# Altium PCB MainBoard_V1_2.PcbDoc
Units mm, origin at the board's own origin, x right, y up, seen from the top; angles counter-clockwise.
Board outline 196.5 x 118 mm, 2 copper layers (Top Layer, Bottom Layer), stack 2.21 mm thick; 100 components, 84 nets, 427 pads, 486 vias.
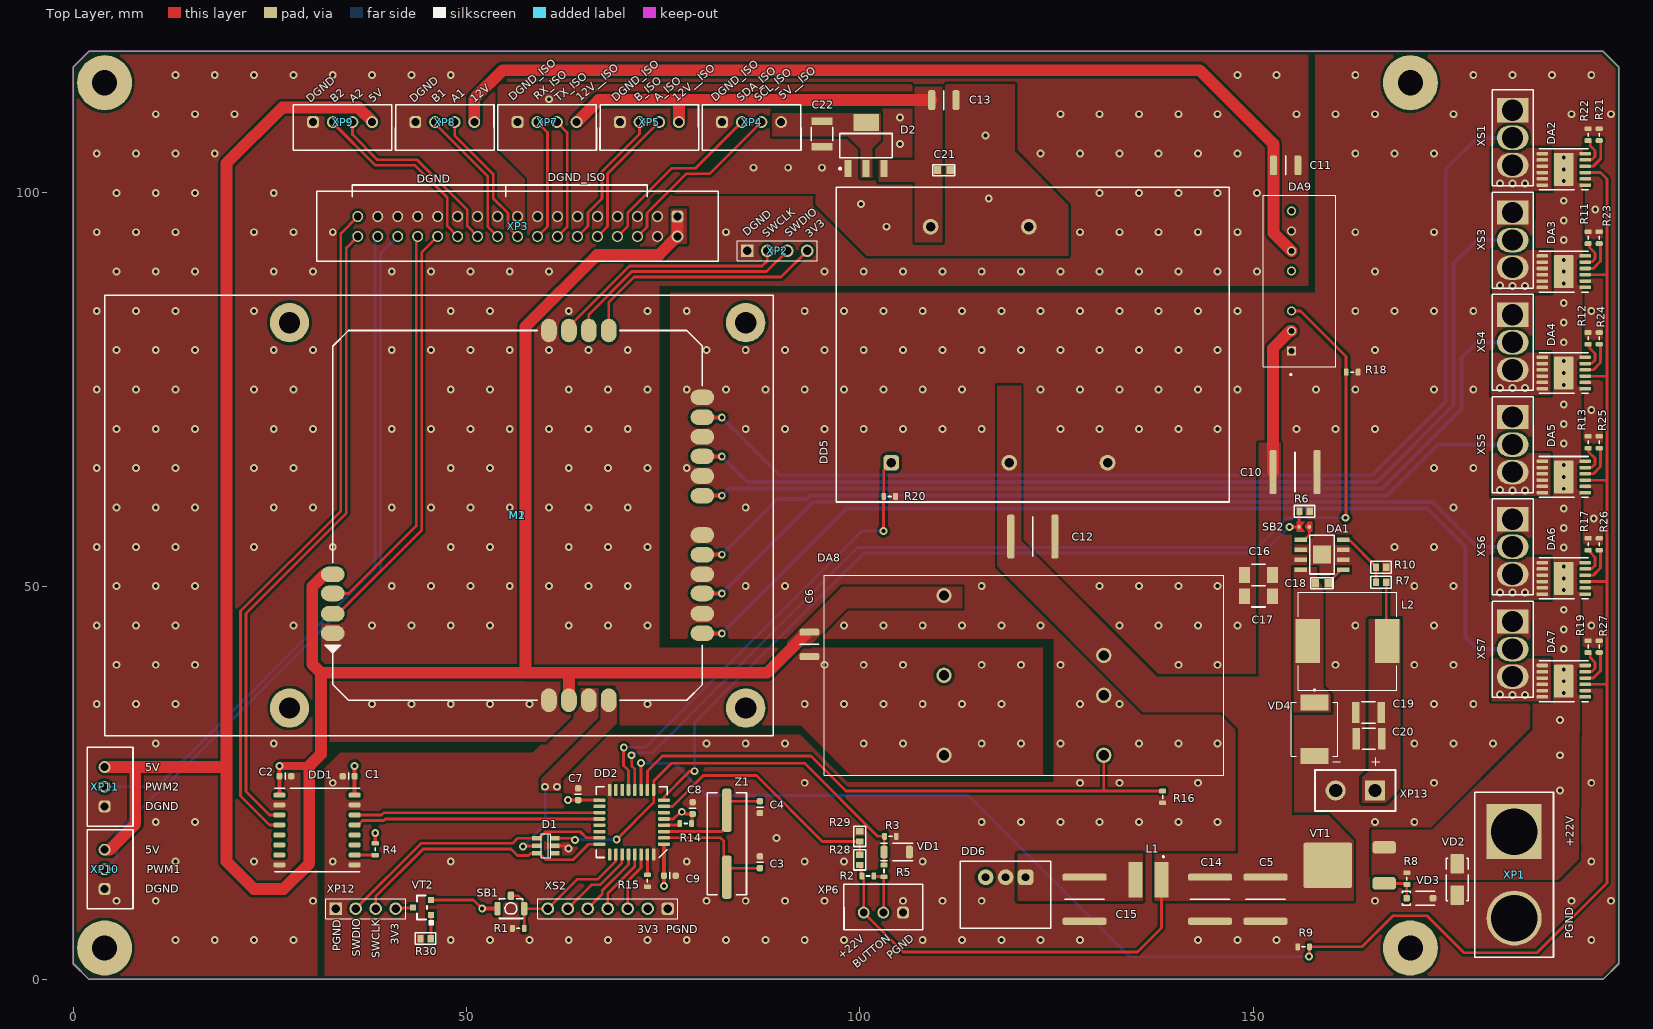
[diagram p0: Top Layer view]
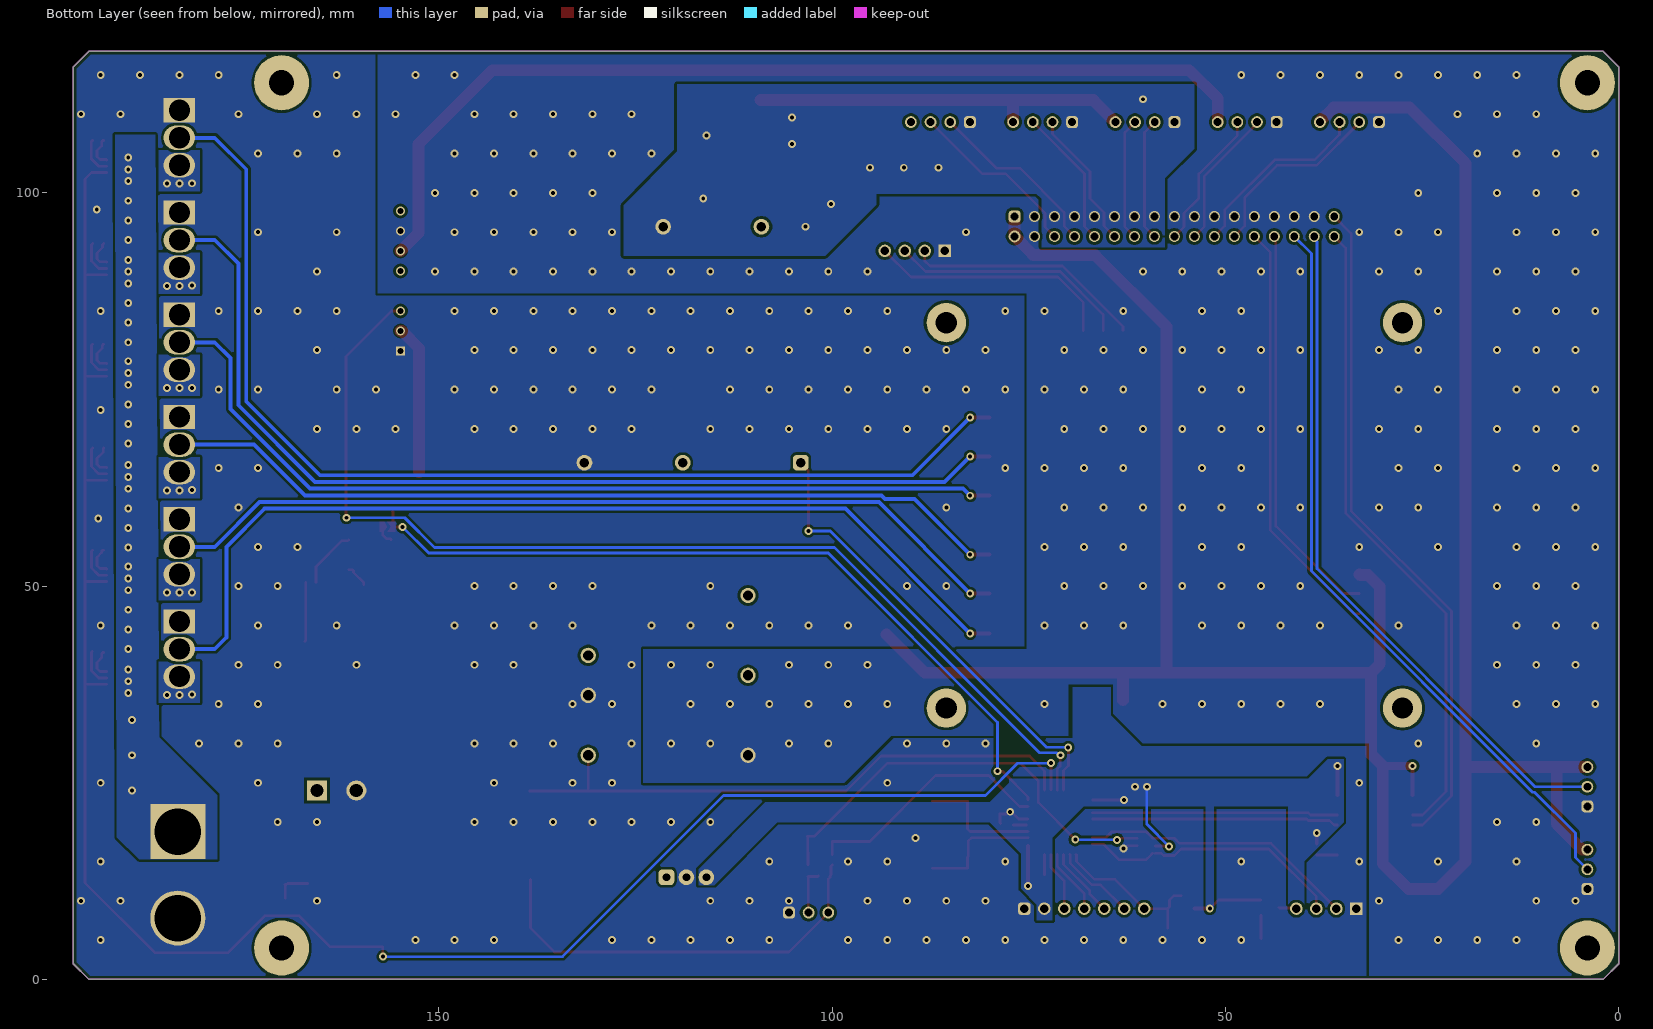
[diagram p1: Bottom Layer view, seen from below]

## Layer stack, top to bottom
Top Solder: solder mask 0.0102, Solder Resist, Dk 3.5
Top Layer: signal copper 0.105
Dielectric 1: core 2, FR4, Dk 4.6
Bottom Layer: signal copper 0.105
Bottom Solder: solder mask 0.0102, Solder Resist, Dk 3.5

## Board outline
0,2 2,0 194.5,0 196.5,2 196.5,116 194.5,118 2,118 0,116

## Design rules (kind name [scope] priority, off if disabled: settings)
Clearance [All] p1: gap=0.35 ignorepadtopadclearanceinfootprint=FALSE
ComponentClearance [All] p1: gap=0.1 collisioncheckmode=3 verticalgap=0.1 showdistances=FALSE
Height [All] p1 off: minheight=0 maxheight=25.4 prefheight=12.7
HoleSize [All] p1: absolutevalues=TRUE maxlimit=10 minlimit=0.2 maxpercent=80.000 minpercent=20.000
MinimumAnnularRing [All] p1: minimumring=0.2
MinimumSolderMaskSliver [All] p1: minsoldermaskwidth=0.35
PlaneConnect [All] p1: planeconnectstyle=Direct reliefexpansion=0.508 reliefentries=4 reliefconductorwidth=0.254 reliefairgap=0.254
PolygonConnect [All] p1: connectstyle=Direct reliefconductorwidth=0.254 reliefentries=4 polygonreliefangle="90 Angle" airgapwidth=0.254
RoutingVias [All] p1: holewidth=0.5 width=1 viastyle="Through Hole" minholewidth=0.5 minwidth=1 maxholewidth=10 maxwidth=20
SilkToSilkClearance [All] p1: silktosilkclearance=0.15
SilkToSolderMaskClearance [IsPad] p1: minsilkscreentomaskgap=0.15 clearancetoexposedcopper=TRUE
SolderMaskExpansion SolderMaskExpansion_1 [IsVia] p1: expansion=0.102 istentingtop=TRUE
SolderMaskExpansion [All] p2: expansion=0.102 istentingtop=FALSE
SupplyNets "Schematic Supply Nets_2" [InNet('3V3_ISO')] p1: voltage=0.000
SupplyNets "Schematic Supply Nets_18" [InNet('12V_ISO')] p2: voltage=0.000
SupplyNets "Schematic Supply Nets_16" [InNet('12V_PWR')] p3: voltage=0.000
SupplyNets "Schematic Supply Nets_1" [InNet('22VIN')] p4: voltage=0.000
SupplyNets "Schematic Supply Nets_17" [InNet('22V_BMA_2')] p5: voltage=0.000
SupplyNets "Schematic Supply Nets_15" [InNet('22V_BMA_6')] p6: voltage=0.000
SupplyNets "Schematic Supply Nets_14" [InNet('22V_BMA_1')] p7: voltage=0.000
SupplyNets "Schematic Supply Nets_13" [InNet('22V_BMA_5')] p8: voltage=0.000
SupplyNets "Schematic Supply Nets_11" [InNet('22V_BMA_3')] p9: voltage=0.000
SupplyNets "Schematic Supply Nets_10" [InNet('22V_BMA_4')] p10: voltage=0.000
SupplyNets "Schematic Supply Nets_9" [InNet('12V')] p11: voltage=0.000
SupplyNets "Schematic Supply Nets_8" [InNet('22V_BMA')] p12: voltage=0.000
SupplyNets "Schematic Supply Nets_7" [InNet('PGND')] p13: voltage=0.000
SupplyNets "Schematic Supply Nets_6" [InNet('3V3')] p14: voltage=0.000
SupplyNets "Schematic Supply Nets_5" [InNet('DGND')] p15: voltage=0.000
SupplyNets "Schematic Supply Nets_4" [InNet('5V')] p16: voltage=0.000
SupplyNets "Schematic Supply Nets_3" [InNet('22V')] p17: voltage=0.000
SupplyNets "Schematic Supply Nets" [InNet('DGND_ISO')] p18: voltage=0.000
Width [All] p1: maxlimit=10 minlimit=0.35 preferedwidth=0.35
23 further rules are at their usual default settings.

## Classes and differential pairs
component class "Power Supply": C3 C4 C5 C6 C7 C8 C9 C10 C11 C12 C13 C14 C15 C16 C17 C18 C19 C20 C21 C22 D1 D2 DA1 DA2 DA3 DA4 DA5 DA6 DA7 DA8 DA? DD2 DD5 DD6 L1 L2 R6 R7 R8 R9 R10 R11 R12 R13 R14 R15 R16 R17 R18 R19 R20 R21 R22 R23 R24 R25 R26 R27 R28 R29 R30 SB2 "TrueType Font" VD2 VD3 VD4 VT1 VT2 XP12 Z1
component class Main: C1 C2 DD1 M1 M2 R1 R2 R3 R4 R5 SB1 "TrueType Font" VD1 XP1 XP2 XP3 XP4 XP5 XP6 XP7 XP8 XP9 XP10 XP11 XP13 XS1 XS2 XS3 XS4 XS5 XS6 XS7

## Components (designator, comment, footprint, x,y, rotation, side; value= is the part's Value field where it differs from the comment)
C1 "0,1 мкФ" C0603C 35.025,25.845 r180 top
C2 "0,1 мкФ" C0603C 26.975,25.845 r0 top
C3 "20 пФ" C0603C 87.3,14.9 r270 top
C4 "20 пФ" C0603C 87.3,21.9 r90 top
C5 "10 мкФ" C2220C 151.6,10.2 r270 top
C6 "10 мкФ" C1210C 93.6,42.6 r270 top
C7 "0,1 мкФ" C0603C 64.2,23.55 r90 top
C8 "0,1 мкФ" C0603C 78.75,21.775 r90 top
C9 "0,1 мкФ" C0603C 75.85,13.2 r0 top
C10 "10 мкФ" C2220C 155.336,64.5 r0 top
C11 "10 мкФ" C1210C 154.15,103.5 r0 top
C12 "10 мкФ" C2220C 122,56.3 r0 top
C13 "10 мкФ" C1210C 110.7,111.8 r0 top
C14 "10 мкФ" C2220C 144.54,10.2 r270 top
C15 "10 мкФ" C2220C 128.58,10.2 r270 top
C16 "Capacitor" 1206C 150.7,51.415 r0 top value="4,7 мк"
C17 "Capacitor" 1206C 150.7,48.7 r0 top value="4,7 мк"
C18 "Capacitor" 0603C 158.76,50.379 r180 top value="10 н"
C19 "Capacitor" 1210C 164.702,33.95 r0 top value="22 мк"
C20 "Capacitor" 1210C 164.713,30.6 r0 top value="22 мк"
C21 "Capacitor" 0603C 110.7,102.9 r180 top value="0,1 мк"
C22 "Capacitor" 1210C 95.2,107.5 r90 top value="10 мк"
D1 "USBLC6-4" SOT23-6 60.1,17 r90 top
D2 "LD1117S33CTR" SOT223 100.8,106 r90 top
DA1 "RT8279GSP" 8SOP(Exposed_Pad) 158.76,54 r180 top
DA2 "VN5016AJTR-E" PowerSSO-12 189.5,102.986 r180 top
DA3 "VN5016AJTR-E" PowerSSO-12 189.5,89.986 r180 top
DA4 "VN5016AJTR-E" PowerSSO-12 189.5,77.1 r180 top
DA5 "VN5016AJTR-E" PowerSSO-12 189.5,63.88 r180 top
DA6 "VN5016AJTR-E" PowerSSO-12 189.5,50.986 r180 top
DA7 "VN5016AJTR-E" PowerSSO-12 189.5,37.914 r180 top
DA8 "SKA20B-05" SKA20B05 131.02,41.2 r270 top
DA9 "SPBW03F-12" SIP8 155.9,88.8 r90 top
DD1 "ADUM1400ARWZ-RL" SOIC-Wide-16 31,19 r0 top
DD2 "STM32F030K6T6" LQFP32 71,20 r180 top
DD5 "МПВ15В" МП_15_ 122,80.7 r180 top
DD6 "R-78E3.3-1.0" SIP3 121.08,13 r180 top
L1 "SDR0403-120ML" 4.5x4_wired 136.7,12.7 r270 top value="12 мк"
L2 "B82477R4683M100" 12.5x12.5 162,43 r0 top value="68 мк"
M1 "MCU_BMA_V1_0" MCU_BMA_V1_0 33,35.5 r0 top locked
M2 "RaspberryPi4" Raspberry+PI4MB_HAT_V2 89,87 r180 top locked
R1 "10 кОм" C0603R 56.59,6.5 r180 top
R2 "10 кОм" C0603R 101.04,13.151 r0 top
R3 "10 кОм" C0603R 103.9,18.2 r0 top
R4 "10 кОм" C0603R 38.4,16.55 r90 top
R5 "10 кОм" C0603R 103.084,13.795 r90 top
R6 "Resistor" 0603R 156.544,59.5 r180 top value="10 к"
R7 "Resistor" 0603R 166.285,50.5 r0 top value="100 к"
R8 "2 кОм" C0603R 169.562,12.818 r270 top
R9 "10 кОм" C0603R 156.423,4.146 r180 top
R10 "Resistor" 0603R 166.285,52.395 r0 top value="11 к"
R11 "10 кОм" C0603R 192.599,94.301 r90 top
R12 "10 кОм" C0603R 192.599,81.5 r90 top
R13 "10 кОм" C0603R 192.599,68.3 r90 top
R14 "10 кОм" C0603R 77.869,19.825 r180 top
R15 "10 кОм" C0603R 73,12.55 r90 top
R16 "10 кОм" C0603R 138.5,23.2 r90 top
R17 "10 кОм" C0603R 192.599,55.33 r90 top
R18 "10 кОм" C0603R 162.6,77.2 r180 top
R19 "10 кОм" C0603R 192.599,42.315 r90 top
R20 "10 кОм" C0603R 103.8,61.4 r180 top
R21 "1 кОм" C0603R 194.008,107.4 r90 top
R22 "10 кОм" C0603R 192.6,107.4 r90 top
R23 "1 кОм" C0603R 194.008,94.301 r90 top
R24 "1 кОм" C0603R 194.008,81.5 r90 top
R25 "1 кОм" C0603R 194.008,68.3 r90 top
R26 "1 кОм" C0603R 194.008,55.33 r90 top
R27 "1 кОм" C0603R 194.008,42.315 r90 top
R28 "Resistor" 0603R 100,15.21 r270 top value="100 к"
R29 "Resistor" 0603R 100,18.2 r270 top value="10 к"
R30 "Resistor" 0603R 44.8,5.2 r0 top value="10 к"
SB1 "B3U-1100PB" B3U-1100P 55.64,9 r180 top
SB2 "SB" 0805SB 157.544,58.165 r180 top
VD1 "BZV55-C3V3,115" SOD80C 104.7,16.2 r0 top
VD2 "SMAJ26CA" DO-214AC 175.955,12.7 r270 top
VD3 "BZX384-C15,115" SOD-123 171.2,10.338 r0 top
VD4 "SK56" SMC 157.8,31.826 r270 top
VT1 "IRFR5305TRPBF" D-PAK 159.5,14.5 r90 top
VT2 "AO3401A" SOT23-3 45.5,8.2 r180 top
XP1 "XT90H-M" XT90H-M 183.2,13.3 r90 top
XP2 "PLS-4" PLS-4 89.508,92.623 r0 top
XP3 "DS1013-34S" IDC-34MS 76.82,97 r180 top
XP4 "DS1069-4 M" "DS1069-4 M" 82.5,109 r0 top
XP5 "DS1069-4 M" "DS1069-4 M" 69.5,109 r0 top
XP6 "DS1069-3 M" "DS1069-3 M" 105.5,8.5 r180 top
XP7 "DS1069-4 M" "DS1069-4 M" 56.5,109 r0 top
XP8 "DS1069-4 M" "DS1069-4 M" 43.5,109 r0 top
XP9 "DS1069-4 M" "DS1069-4 M" 30.5,109 r0 top
XP10 "DS1069-3 M" "DS1069-3 M" 4,11.5 r90 top
XP11 "DS1069-3 M" "DS1069-3 M" 4,22 r90 top
XP12 "PLS-4" PLS-4 37.19,9 r0 top
XP13 "XT30UPB-F" XT30UPB-F 163,24.019 r180 top
XS1 "MR30-FB" MR30-FB 183,107 r270 top
XS2 "PBS-7" PBS-7 67.96,9 r180 top
XS3 "MR30-FB" MR30-FB 183,94 r270 top
XS4 "MR30-FB" MR30-FB 183,81 r270 top
XS5 "MR30-FB" MR30-FB 183,68 r270 top
XS6 "MR30-FB" MR30-FB 183,55 r270 top
XS7 "MR30-FB" MR30-FB 183,42 r270 top
Z1 "8 МГц" HC-49SM 83.1,17.256 r270 top

## Footprints (in the part's own frame and the unit in brackets; to place one, negate y for a bottom-side part, rotate by r counter-clockwise, add the part's x,y. Pads: shape width x height; smd on the part's side, far side on the other; paste and mask are expansions set on the pad)
4.5x4_wired [mm]
  rect 4.5x1.8 smd: 1(0,1.65) 2(0,-1.65)
  silkscreen extent -3,1.8 -2.8,2, body extent -2.25,-2.25 2.25,2.25, height 3.2
8SOP(Exposed_Pad) [mm]
  rect 1.55x0.6 smd: 1(-2.7,1.905) 2(-2.7,0.635) 3(-2.7,-0.635) 4(-2.7,-1.905) 5(2.7,-1.905) 6(2.7,-0.635) 7(2.7,0.635) 8(2.7,1.905)
  rect 2.3x2.3 smd paste-2: 9(0,0)
  silkscreen extent -1.55,-2.45 1.55,2.45, body extent -3,-2.45 3,2.45, height 1.75
12.5x12.5 [mm]
  rect 3.1x5.6 smd: 1(-5.05,0) 2(5.05,0)
  silkscreen extent -6.25,-6.25 6.25,6.25, body extent -6.25,-6.25 6.25,6.25, height 8.5
0603C [mm] "Chip Resistor, 2-Leads, Body 1,40x0,80mm, IPC Medium Density"
  rect 0.9x1.05 smd: 1(-0.8,0) 2(0.8,0)
  silkscreen extent -1.4,-0.7 1.4,0.7, body extent -0.85,-0.45 0.85,0.45, height 0.9
0603R [mm] "Chip Resistor, 2-Leads, Body 1.60x0.85mm, IPC Medium Density"
  rect 0.8x0.95 smd: 1(-0.65,0) 2(0.65,0)
  silkscreen extent -1.3,-0.75 1.3,0.75, body extent -0.87,-0.47 0.88,0.48, height 0.9
0805SB [mm]
  oval 0.4x0.5 smd: 1(0.4,0.625) 2(1.7,0.625)
  Top Layer region: 0,1.25 0,0 0.567,0 0.962,0.618 0.558,1.25
  Top Layer region: 1,1.25 1.4,0.625 1,0 2,0 2,1.25
  body extent 0.4,0 1.7,1.25, height 0.3
1206C [mm]
  rect 1.4x2 smd paste+0 mask+0: 1(-1.8,0) 2(1.8,0)
  silkscreen extent -0.85,-1.35 0.85,1.35, body extent -1.6,-0.74 1.6,0.86, height 1.59
1210C [mm]
  rect 0.954x2.706 smd paste+0 mask+0: 1(-1.625,0) 2(1.625,0)
  silkscreen extent -0.85,-1.35 0.85,1.35, body extent -2.35,-1.6 2.35,1.6, height 0.25
B3U-1100P [mm]
  rrect50% 0.8x1.7 smd: 1(-1.7,0) 2(1.7,0)
  rrect50% 0.8x1.1 smd: 3(0,-1.65)
  silkscreen extent -1.5,-1.25 1.5,1.25, body extent -2,-1.95 2,1.25, height 1.75
C0603C [mm]
  rrect50% 0.8x0.8 smd: 1(-0.75,0) 2(0.75,0)
  silkscreen extent 0,-0.4 0,0.4, body extent -0.8,-0.4 0.8,0.4, height 0.95
C0603R [mm]
  rrect50% 0.6x0.9 smd: 1(-0.75,0) 2(0.75,0)
  silkscreen extent -0.2,0 0.2,0, body extent -0.8,-0.4 0.8,0.4, height 0.44
C1210C [mm]
  rrect50% 0.9x2.5 smd: 1(-1.55,0) 2(1.55,0)
  silkscreen extent 0,-1.2 0,1.2, body extent -1.6,-1.25 1.6,1.25, height 2.2
C2220C [mm]
  rrect50% 0.9x5.6 smd: 1(-2.8,0) 2(2.8,0)
  silkscreen extent 0,-2.5 0,2.5, body extent -2.85,-2.5 2.85,2.5, height 2.6
D-PAK [mm]
  rrect50% 1.6x3 smd: 1(-2.286,-7.18) 3(2.286,-7.18)
  rrect10% 5.8x6.2 smd: 2(0,0)
  body extent -3.25,-7.65 3.25,2.25, height 2.49
DO-214AC [mm]
  rrect20% 2.5x1.7 smd: 1(-2,0) 2(2,0)
  silkscreen extent -2.7,-1.4 2.7,1.4, body extent -2.6,-1.36 2.6,1.36, height 2.7
"DS1069-3 M" [mm]
  rrect50% 1.5x1.5 hole 1: 1(0,0)
  round 1.5 hole 1: 2(2.5,0) 3(5,0)
  silkscreen extent -2.53,-3.6 7.53,2.2, body extent -2.5,-3.55 7.5,2.2, height 7
"DS1069-4 M" [mm]
  rrect50% 1.5x1.5 hole 1: 1(0,0)
  round 1.5 hole 1: 2(2.5,0) 3(5,0) 4(7.5,0)
  silkscreen extent -2.53,-3.6 10.03,2.2, body extent -2.4,-3.55 10,2.2, height 7
HC-49SM [mm]
  rrect50% 5.5x1.2 smd: 1(-4.25,0) 2(4.25,0)
  silkscreen extent -6.5,-2.5 6.5,2.5, body extent -6.4,-2.41 6.4,2.42, height 4.3
IDC-34MS [mm]
  rrect50% 1.5x1.5 hole 1: 1(0,0)
  round 1.5 hole 1: 2(0,2.54)
  round 1.4 hole 1: 3(2.54,0) 4(2.54,2.54) 5(5.08,0) 6(5.08,2.54) 7(7.62,0) 8(7.62,2.54) 9(10.16,0) 10(10.16,2.54) 11(12.7,0) 12(12.7,2.54) 13(15.24,0) 14(15.24,2.54) 15(17.78,0) 16(17.78,2.54) 17(20.32,0) 18(20.32,2.54) 19(22.86,0) 20(22.86,2.54) 21(25.4,0) 22(25.4,2.54) 23(27.94,0) 24(27.94,2.54) 25(30.48,0) 26(30.48,2.54) 27(33.02,0) 28(33.02,2.54) 29(35.56,0) 30(35.56,2.54) 31(38.1,0) 32(38.1,2.54) 33(40.64,0) 34(40.64,2.54)
  silkscreen extent -5.2,-3.2 45.84,5.7, body extent -5.17,-3.23 45.81,5.67, height 9
LQFP32 [mm]
  rrect50% 1.5x0.45 smd: 1(-4.1,2.8) 2(-4.1,2) 3(-4.1,1.2) 4(-4.1,0.4) 5(-4.1,-0.4) 6(-4.1,-1.2) 7(-4.1,-2) 8(-4.1,-2.8) 17(4.1,-2.8) 18(4.1,-2) 19(4.1,-1.2) 20(4.1,-0.4) 21(4.1,0.4) 22(4.1,1.2) 23(4.1,2) 24(4.1,2.8)
  rrect50% 0.45x1.5 smd: 9(-2.8,-4.1) 10(-2,-4.1) 11(-1.2,-4.1) 12(-0.4,-4.1) 13(0.4,-4.1) 14(1.2,-4.1) 15(2,-4.1) 16(2.8,-4.1) 25(2.8,4.1) 26(2,4.1) 27(1.2,4.1) 28(0.4,4.1) 29(-0.4,4.1) 30(-1.2,4.1) 31(-2,4.1) 32(-2.8,4.1)
  silkscreen extent -4.5,-4.5 4.5,4.5, body extent -4.5,-4.5 4.5,4.5, height 1.6
MCU_BMA_V1_0 [mm]
  oval 3x2 smd: 1(0,8.5) 2(0,11) 3(0,13.58) 4(0,16) 9(47,38.5) 10(47,35.96) 11(47,33.5) 12(47,31) 13(47,28.5) 14(47,26) 15(47,21) 16(47,18.5) 17(47,16) 18(47,13.58) 19(47,11) 20(47,8.5)
  oval 2x3 smd: 5(27.48,47) 6(30.02,47) 7(32.56,47) 8(35.1,47) 21(35.1,0) 22(32.56,0) 23(30.02,0) 24(27.48,0)
  silkscreen extent -1,0 47,47, body extent 0,0 47,47, height 5.9
MR30-FB [mm]
  rect 3.1x4 hole 2.7 mask+0: 1(-3.5,0)
  oval 3.1x4 hole 2.7 mask+0: 2(0,0) 3(3.5,0)
  silkscreen extent -6.1,-2.6 6.1,2.6, body extent -6.1,-2.6 6.1,2.6, height 9.5
PBS-7 [mm]
  rrect50% 1.6x1.6 hole 1.1: 1(-7.62,0)
  round 1.6 hole 1.1: 2(-5.08,0) 3(-2.54,0) 4(0,0) 5(2.54,0) 6(5.08,0) 7(7.62,0)
  silkscreen extent -8.89,-1.27 8.89,1.27, body extent -8.89,-1.27 8.89,1.27, height 8.5
PLS-4 [mm]
  rect 1.6x1.6 hole 1.1: 1(-3.81,0)
  round 1.6 hole 1.1: 2(-1.27,0) 3(1.27,0) 4(3.81,0)
  silkscreen extent -5.08,-1.27 5.08,1.27, body extent -5.08,-1.27 5.08,1.27, height 8.5
PowerSSO-12 [mm]
  rrect50% 1.45x0.45 smd: 1(-2.724,2) 2(-2.724,1.2) 3(-2.724,0.4) 4(-2.724,-0.4) 5(-2.724,-1.2) 6(-2.724,-2) 7(2.724,-2) 8(2.724,-1.2) 9(2.724,-0.4) 10(2.724,0.4) 11(2.724,1.2) 12(2.724,2)
  rrect10% 2.489x4.191 smd: 13(0,0)
  silkscreen extent -3.1,-2.6 3.1,2.6, body extent -3.1,-2.5 3.1,2.5, height 1.63
Raspberry+PI4MB_HAT_V2 [mm]
  round 5 hole 2.7: 0(3.5,52.5) 0(3.5,3.5) 0(61.5,52.5) 0(61.5,3.5)
  silkscreen extent 0,0 85,56, body extent 0,-2.45 89.07,56, height 30.5
SIP3 [mm]
  rrect50% 2x2 hole 1: 1(0,0)
  round 2 hole 1: 2(2.54,0) 3(5.08,0)
  silkscreen extent -3.2,-2 8.28,6.5, body extent -3.26,-1.98 8.34,6.53, height 10.4
SIP8 [mm]
  rect 1.13x1.13 hole 0.73: 1(-8.89,1.016)
  round 1.13 hole 0.73: 2(-6.35,1.016) 3(-3.81,1.016) 5(1.27,1.016) 6(3.81,1.016) 7(6.35,1.016) 8(8.89,1.016)
  silkscreen extent -12,-4.6 10.9,4.6, body extent -10.9,-4.6 10.9,4.6, height 10.6
SKA20B05 [mm]
  round 1.95 hole 1.3: 1(0,0) 2(5.08,0) 3(-7.62,-20.32) 4(2.54,-20.32) 5(12.7,-20.32) 6(12.7,0)
  silkscreen extent -10.16,-35.56 15.24,15.24, body extent -10.16,-35.56 15.24,15.24, height 11.2
SMC [mm]
  rect 2x3.6 smd: 1(3.415,0.021) 2(-3.385,0.021)
  silkscreen extent -5.08,-2.93 3.45,2.97, body extent -3.96,-2.93 3.99,2.97, height 2.65
SOD80C [mm]
  rrect50% 0.9x1.6 smd: 1(-1.6,0) 2(1.6,0)
  silkscreen extent -2,-1.1 2,1.1, body extent -1.75,-0.8 1.75,0.8, height 1.6
SOD-123 [mm]
  rrect50% 0.85x0.85 smd: 1(-1.675,0) 2(1.675,0)
  silkscreen extent -2.2,-0.9 1.9,0.9, body extent -1.82,-0.77 1.83,0.78, height 1.44
SOIC-Wide-16 [mm]
  rrect50% 1.5x0.6 smd: 1(-4.775,4.445) 2(-4.775,3.175) 3(-4.775,1.905) 4(-4.775,0.635) 5(-4.775,-0.635) 6(-4.775,-1.905) 7(-4.775,-3.175) 8(-4.775,-4.445) 9(4.775,-4.445) 10(4.775,-3.175) 11(4.775,-1.905) 12(4.775,-0.635) 13(4.775,0.635) 14(4.775,1.905) 15(4.775,3.175) 16(4.775,4.445)
  silkscreen extent -5.4,-5.3 5.4,5.3, body extent -5.15,-5.15 5.15,5.15, height 2.65
SOT23-3 [mil]
  rect 30x30 smd: 1(0,0) 2(0,-75) 3(90,-37.5)
  silkscreen extent -13,-98 70,52, body extent -4,-97 94,21, height 41
SOT23-6 [mm]
  rect 0.6x1.2 smd: 1(-0.95,-1.15) 2(0,-1.15) 3(0.95,-1.15) 4(0.95,1.15) 5(0,1.15) 6(-0.95,1.15)
  silkscreen extent -1.52,-0.61 1.52,0.61, body extent -1.46,-1.4 1.46,1.4, height 1.4
SOT223 [mm] "SOT223, ld1117"
  rect 2.15x0.9 smd: 1(-2.925,2.3) 2(-2.925,0) 3(-2.925,-2.3)
  rect 2.15x3.25 smd: 2(2.925,0)
  silkscreen extent -3.05,-3.35 1.55,3.42, body extent -3.56,-3.3 3.51,3.2, height 1.6
XT30UPB-F [mm]
  round 2.55 hole 1.7: N(2.5,0)
  rect 2.55x2.55 / inner round 2.55 / far side rect 2.55x2.55 hole 1.7: P(-2.5,0)
  silkscreen extent -5.1,-4.15 5.1,2.6, body extent -5.1,-2.6 5.1,2.6, height 9.4
XT90H-M [mm]
  rect 7x7 hole 5.9: 1(5.5,0)
  round 7 hole 5.9: 2(-5.5,0)
  silkscreen extent -10.5,-5 10.5,5, body extent -10.5,-5.4 10.5,5.4, height 21.3
МП_15_ [mm]
  rrect50% 2x2 hole 1.2 mask+0: 1(18,15)
  round 2 hole 1.2 mask+0: 2(3,15) 3(-9.5,15) 4(0.5,-15) 5(13,-15)
  silkscreen extent -25,-20 25,20, body extent -25,-20 25,20, height 11.5

## Part data
C1 C2 C7 C8 C9: library part CC0603KRX7R9BB104, "SMD 0603 ; X7R; 0,1 мкФ; 50 В", Dielectric=X7R, Manufacturer=YAGEO, Package="SMD 0603", Voltage="50 В", ComponentLink1Description=Datasheet, Part Number=CC0603KRX7R9BB104, Persent=±5%, Type=Ceramic
C3 C4: library part CC0603JRNPO9BN200, "SMD 0603 ; C0G(NP0); 20 пФ; 50 В", Dielectric=C0G(NP0), Manufacturer=YAGEO, Package="SMD 0603", Voltage="50 В", ComponentLink1Description=Datasheet, Part Number=CC0603JRNPO9BN200, Persent=±15%, Type=Ceramic
C5 C10 C12 C14 C15: library part 22201C106MAT2A, "SMD 2220 ; X7R; 10 мкФ; 100 В", Dielectric=X7R, Manufacturer=AVX, Package="SMD 2220", Voltage="100 В", ComponentLink1Description=Datasheet, Part Number=22201C106MAT2A, Persent=±15%, Type=Ceramic
C6 C11 C13: library part 12105C106KAT2A, "SMD 1210; X7R; 10 мкФ; 50 В", Dielectric=X7R, Manufacturer=AVX, Package="SMD 1210", Voltage="50 В", ComponentLink1Description=Datasheet, Part Number=12105C106KAT2A, Persent=±15%, Type=Ceramic
C16 C17: library part Capacitor_4,7u_10_50V_X7R_1206C, "Конденсатор", Capacity (nF)=4700, Dielectric=X7R, Tolerance=0,1, Voltage (V)=50, Part Number=Capacitor_4,7u_10_50V_X7R_1206C
C18: library part Capacitor_10n_10_50V_X7R_0603C, "Конденсатор", Capacity (nF)=10, Dielectric=X7R, Tolerance=0,1, Voltage (V)=50, Part Number=Capacitor_10n_10_50V_X7R_0603C
C19 C20: library part Capacitor_22u_10_25V_X7R_1210C, "Конденсатор", Capacity (nF)=22000, Dielectric=X7R, Tolerance=0,1, Voltage (V)=25, Part Number=Capacitor_22u_10_25V_X7R_1210C
C21: library part Capacitor_0,1u_10_50V_X7R_0603C, "Конденсатор", Capacity (nF)=100, Dielectric=X7R, Tolerance=0,1, Voltage (V)=50, Part Number=Capacitor_0,1u_10_50V_X7R_0603C
C22: library part Capacitor_10u_10_35V_X7R_1210C, "Конденсатор", Capacity (nF)=10000, Dielectric=X7R, Tolerance=0,1, Voltage (V)=35, Part Number=Capacitor_10u_10_35V_X7R_1210C
D1: "Сборка защитных диодов для USB", ComponentLink1Description=Shop, ComponentLink1URL=https://www.chipdip.ru/product0/8001780508, Part Number=USBLC6-4
D2: "Линейный стабилизатор напряжения", Part Number=LD1117S33CTR
DA1: "Преобразователь постоянного тока понижающий подстраиваемый выход 5А", Part Number=RT8279GSP
DA2 DA3 DA4 DA5 DA6 DA7: "High Current Power Switch", Manufacturer=STMicroelectronics, Part Number=VN5016AJTR-E, Type="Power Switch"
DA8: library part Component_1, "SKA20B-05, DC/DC преобразователь, 20Вт, вход 18-36В,выход 5В/4А"
DA9: "SPBW03F-12, DC/DC преобразователь, 3Вт, вход 9-36В,выход 12В/0.25А"
DD1: "ISO", Manufacturer="Analog Devices", Part Number=ADUM1400ARWZ-RL, Type=ISO
DD2: Manufacturer=STMicroelectronics, Part Number=STM32F030K6T6, Type=MCU
DD5: "Switching regulator, Uвх = 27В, Uвых =12V", Manufacturer=ИРБИС, Part Number=МПВ15В, Type="ISO DC/DC"
DD6: "DC/DC, 24VIN 3V3 OUT", Manufacturer=Recom, Part Number=R-78E3.3-1.0, Type=DC/DC
L1: "Индуктивность на 12 мкГн, номинальный ток 1,05 A", Current (A)=1,05, Inductance (μH)=12, Part Number=SDR0403-120ML
L2: "Индуктивность на 68 мкГн, номинальный ток 2,65 A", Current (A)=2,65, Inductance (μH)=68, Part Number=B82477R4683M100
M1: "MCU_BMA_V1_0, user module", Type=User
M2: library part Raspberry+PI4MB_HAT_V2, "Raspberry+PI4MB_HAT_V2", Manufacturer=Raspberry, ComponentLink1Description=Datasheet, Part Number=RaspberryPi4, Type=User
R1 R2 R3 R4 R5 R9 R11 R12 R13 R14 R15 R16 R17 R18 R19 R20 R22: library part RC0603FR-0710KL, "SMD 0603; 0,1; 1%; 10 кОм", Manufacturer=Yageo, Package="SMD 0603", Power=0,1, Category=R, Part Number=RC0603FR-0710KL, Persent=1%
R6 R29 R30: library part Resistor_10k_1_0603, "Резистор номиналом 10 кОм и точностью 1%", Tolerance=1%, Part Number=Resistor_10k_1_0603
R7 R28: library part Resistor_100k_1_0603, "Резистор номиналом 100 кОм и точностью 1%", Tolerance=1%, Part Number=Resistor_100k_1_0603
R8: library part RC0603FR-072KL, "SMD 0603; 0,1; 1%; 2 кОм", Manufacturer=Yageo, Package="SMD 0603", Power=0,1, Category=R, Part Number=RC0603FR-072KL, Persent=1%